# Altium PCB OctopusPB_r0102.PcbDoc (part 8 of 10) (continued)
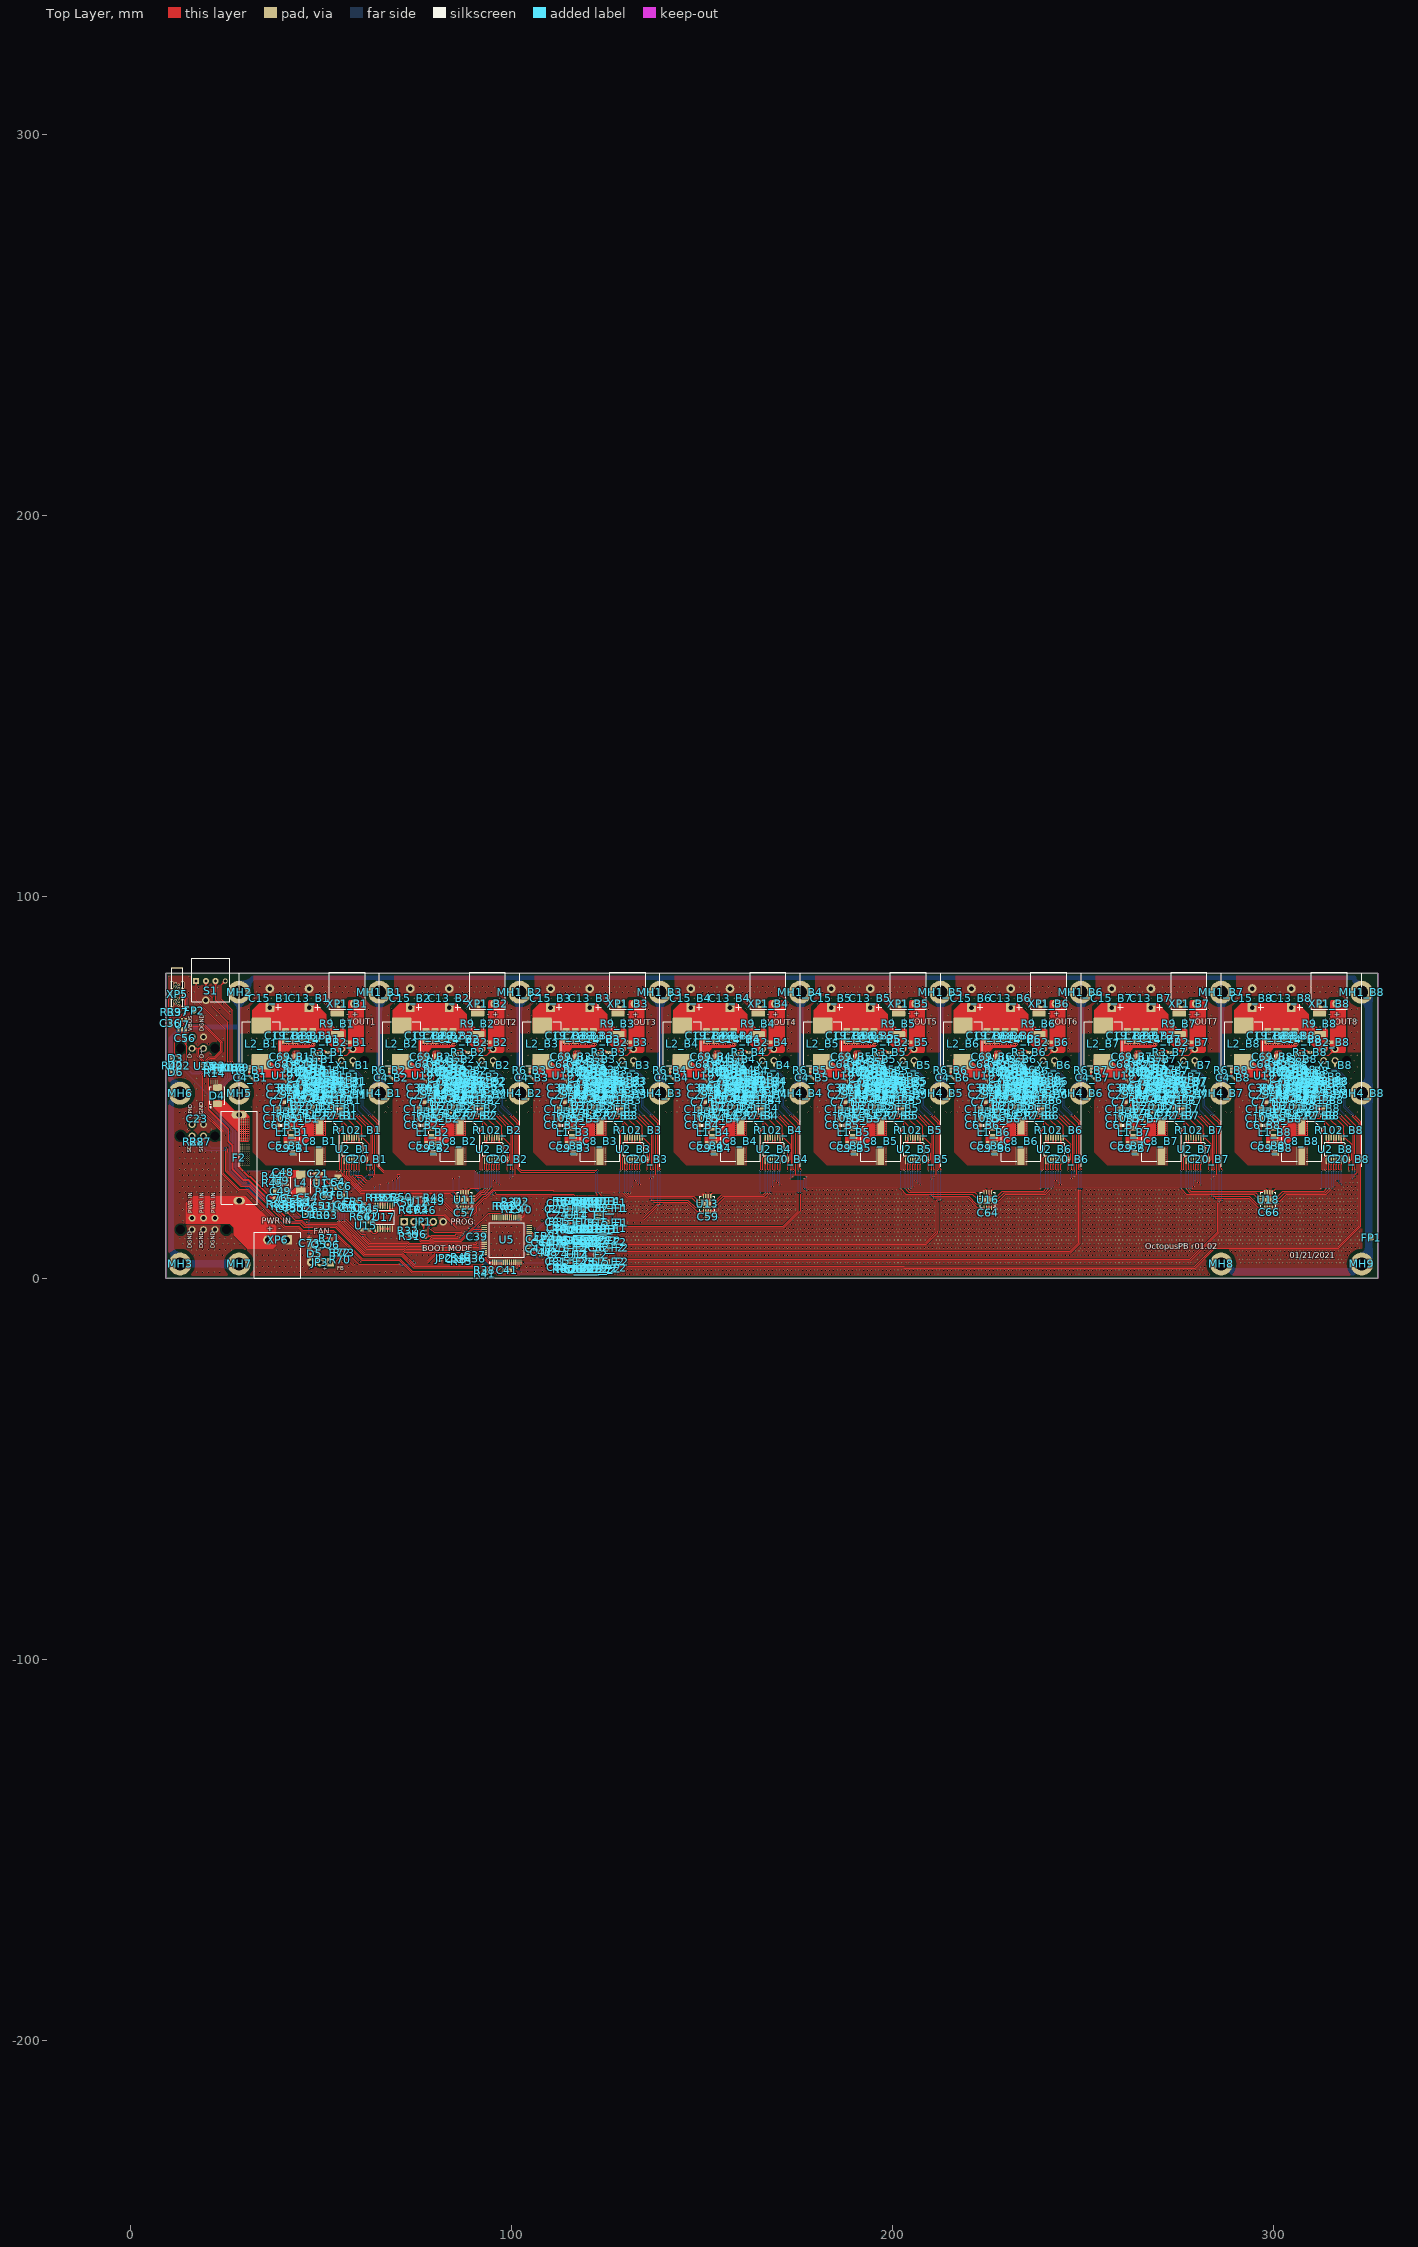
[diagram p0: Top Layer view]
## Nets (pads, with @x,y where several pads share a name; then routed paths per layer and width w, separated by ;. In a path a pad name is that pad's centre, name@x,y a point inside that pad or via, vN(x,y) a via of type N, cw(c..) or ccw(c..) an arc to the next point about the centre after c; other vN are vias at no path point) (continued)
NetC80_F2_1: C80_F2.1 R19_F2.1 R22_F2.2 U14_F2.10 | length 6.1
  Top Layer w0.2: C80_F2.1@120.4,2.745 120.42,2.765 121.355,2.765 R22_F2.2@121.375,2.785 ; R19_F2.1@122.6,2.85 122.567,2.818 121.407,2.818 R22_F2.2@121.375,2.785 ; U14_F2.10@122.775,5.44 122.7,5.365 121.849,5.365 121.225,4.741 121.225,2.935 R22_F2.2@121.375,2.785
NetC81_F1_1: C81_F1.1 R35_F1.2 R60_F1.1 U14_F1.6 | length 7.1
  Top Layer w0.2: C81_F1.1@114.175,15.105 114.208,15.137 115.117,15.137 R35_F1.2@115.15,15.17 115.165,15.155 116.81,15.155 U14_F1.6@116.825,15.14 116.9,15.065 117.81,15.065 117.975,14.9 117.975,14.221 117.679,13.925 116.5,13.925 116.225,13.65 116.225,13.32 R60_F1.1@116.075,13.17
NetC81_F2_1: C81_F2.1 R35_F2.2 R60_F2.1 U14_F2.6 | length 7.1
  Top Layer w0.2: C81_F2.1@114.225,4.755 114.258,4.787 115.167,4.787 R35_F2.2@115.2,4.82 115.215,4.805 116.86,4.805 U14_F2.6@116.875,4.79 116.95,4.715 117.86,4.715 118.025,4.55 118.025,3.871 117.729,3.575 116.55,3.575 116.275,3.3 116.275,2.97 R60_F2.1@116.125,2.82
NetC82_F1_1: C82_F1.1 R56_F1.2 R61_F1.1 U14_F1.13 | length 7.3
  Top Layer w0.2: R61_F1.1@123.475,19.735 123.335,19.595 123.335,19.15 123.05,18.865 121.781,18.865 121.525,18.609 121.525,17.965 121.675,17.815 122.65,17.815 U14_F1.13@122.725,17.74 122.78,17.795 125.345,17.795 C82_F1.1@125.4,17.85
NetC82_F2_1: C82_F2.1 R56_F2.2 R61_F2.1 U14_F2.13 | length 7.3
  Top Layer w0.2: R61_F2.1@123.525,9.385 123.385,9.245 123.385,8.8 123.1,8.515 121.831,8.515 121.575,8.259 121.575,7.615 121.725,7.465 122.7,7.465 U14_F2.13@122.775,7.39 122.83,7.445 125.395,7.445 C82_F2.1@125.45,7.5
NetC88_F1_1: C88_F1.1 R62_F1.1 R76_F1.2 U14_F1.5 | length 6.3
  Top Layer w0.2: U14_F1.5@116.825,15.79 116.89,15.725 117.95,15.725 118.375,15.3 118.375,13.16 R76_F1.2@118.325,13.11 ; R62_F1.1@117.025,13.145 117.06,13.11 R76_F1.2@118.325,13.11 ; C88_F1.1@119.325,13.095 119.31,13.11 R76_F1.2@118.325,13.11
NetC88_F2_1: C88_F2.1 R62_F2.1 R76_F2.2 U14_F2.5 | length 6.3
  Top Layer w0.2: U14_F2.5@116.875,5.44 116.94,5.375 118,5.375 118.425,4.95 118.425,2.81 R76_F2.2@118.375,2.76 ; R62_F2.1@117.075,2.795 117.11,2.76 R76_F2.2@118.375,2.76 ; C88_F2.1@119.375,2.745 119.36,2.76 R76_F2.2@118.375,2.76
NetC89_F1_1: C89_F1.1 R63_F1.1 R77_F1.2 U14_F1.12 | length 6.1
  Top Layer w0.2: R77_F1.2@120.325,19.715 121.215,19.715 C89_F1.1@121.275,19.775 121.295,19.755 122.23,19.755 R63_F1.1@122.25,19.735 ; C89_F1.1@121.496,19.696 121.415,19.615 121.275,19.475 121.275,18.924 121.1,18.749 121.1,17.69 121.775,17.015 121.825,17.015 122.65,17.015 U14_F1.12@122.725,17.09
NetC89_F2_1: C89_F2.1 R63_F2.1 R77_F2.2 U14_F2.12 | length 6.1
  Top Layer w0.2: R77_F2.2@120.375,9.365 121.265,9.365 C89_F2.1@121.325,9.425 121.345,9.405 122.28,9.405 R63_F2.1@122.3,9.385 ; C89_F2.1@121.546,9.346 121.465,9.265 121.325,9.125 121.325,8.574 121.15,8.399 121.15,7.34 121.825,6.665 121.875,6.665 122.7,6.665 U14_F2.12@122.775,6.74
NetD2_1: D2.1 R34.2 | length 1.3
  Top Layer w0.2: R34.2@100.58,20 101.875,20 D2.1@101.9,19.975
NetD3_1: D3.1 D6.1 D7.1 U22.A1 U26.A1 | length 69.5
  Top Layer w0.2: D6.1@10.725,54.025 10.589,54.025 10.44,54.173 10.44,54.31 10.3,54.45 10.3,57.205 10.461,57.365 10.461,57.502 10.609,57.65 D3.1@10.745,57.65 10.895,57.65 11.62,56.925 v1(12.375,56.925) 12.375,56.399 12.465,56.308 12.465,56.285 U22.A1@12.475,56.275 ; U26.A1@47.075,18.625 47.1,18.6 47.375,18.6 47.675,18.3 v1(47.75,18.3) 47.75,19.425 48.125,19.8 D7.1@48.275,19.8
  Bottom Layer w0.2: v1(12.375,56.925) 12.375,56.17 22.8,45.745 22.8,41.5 26.425,37.875 26.425,28.012 33.937,20.5 40.455,20.5 42.704,18.251 47.701,18.251 v1(47.75,18.3)
NetD5_1: D5.1 JP3.2 Q5.3 | length 3.2
  Top Layer w0.5: Q5.3@49.575,7.725 49.575,7.275 49.575,6.35 49.575,5.656 49.95,5.281 JP3.2@49.95,4.725
NetQ5_1: Q5.1 Q6.3 R71.2 | length 4
  Top Layer w0.3: Q5.1@50.525,9.725 50.525,9.675 51.34,8.86 51.64,8.86 Q6.3@51.825,8.675 51.875,8.675 52.755,9.555 R71.2@52.755,10.45
NetQ6_1: Q6.1 R72.2 | length 3
  Top Layer w0.2: Q6.1@53.975,8.025 53.975,6.75 54.475,6.25 55.015,6.25 R72.2@55.1,6.165
  Top Layer w0.3: Q6.1@53.975,8.025 54.011,8.025 Q6.1@54.21,7.827
NetR3_B1_1: R3_B1.1 U3_B1.3 | length 4.3
  Top Layer w0.3: U3_B1.3@48.125,58.725 48.275,58.875 48.275,59.45 48.625,59.8 50.77,59.8 51.17,59.4 51.21,59.4 51.345,59.265 R3_B1.1@51.345,59.225
NetR3_B2_1: R3_B2.1 U3_B2.3 | length 4.3
  Top Layer w0.3: U3_B2.3@84.95,58.725 85.1,58.875 85.1,59.45 85.45,59.8 87.595,59.8 87.995,59.4 88.035,59.4 88.17,59.265 R3_B2.1@88.17,59.225
NetR3_B3_1: R3_B3.1 U3_B3.3 | length 4.3
  Top Layer w0.3: U3_B3.3@121.775,58.725 121.925,58.875 121.925,59.45 122.275,59.8 124.42,59.8 124.82,59.4 124.86,59.4 124.995,59.265 R3_B3.1@124.995,59.225
NetR3_B4_1: R3_B4.1 U3_B4.3 | length 4.3
  Top Layer w0.3: U3_B4.3@158.6,58.725 158.75,58.875 158.75,59.45 159.1,59.8 161.245,59.8 161.645,59.4 161.685,59.4 161.82,59.265 R3_B4.1@161.82,59.225
NetR3_B5_1: R3_B5.1 U3_B5.3 | length 4.3
  Top Layer w0.3: U3_B5.3@195.425,58.725 195.575,58.875 195.575,59.45 195.925,59.8 198.07,59.8 198.47,59.4 198.51,59.4 198.645,59.265 R3_B5.1@198.645,59.225
NetR3_B6_1: R3_B6.1 U3_B6.3 | length 4.3
  Top Layer w0.3: U3_B6.3@232.25,58.725 232.4,58.875 232.4,59.45 232.75,59.8 234.895,59.8 235.295,59.4 235.335,59.4 235.47,59.265 R3_B6.1@235.47,59.225
NetR3_B7_1: R3_B7.1 U3_B7.3 | length 4.3
  Top Layer w0.3: U3_B7.3@269.075,58.725 269.225,58.875 269.225,59.45 269.575,59.8 271.72,59.8 272.12,59.4 272.16,59.4 272.295,59.265 R3_B7.1@272.295,59.225
NetR3_B8_1: R3_B8.1 U3_B8.3 | length 4.3
  Top Layer w0.3: U3_B8.3@305.9,58.725 306.05,58.875 306.05,59.45 306.4,59.8 308.545,59.8 308.945,59.4 308.985,59.4 309.12,59.265 R3_B8.1@309.12,59.225
NetR4_B1_1: R4_B1.1 R102_B1.2 U19_B1.7 | length 28.7
  Top Layer w0.2: U19_B1.7@43.125,54.775 43.15,54.8 43.15,55.344 43.728,55.922 43.725,55.925 45.008,55.925 45.125,56.042 v1(45.125,56.05) ; 44.9,56.125 44.9,56.655 R4_B1.1@44.995,56.75 ; v1(56.575,43.65) 56.575,42.115 59.435,39.255 R102_B1.2@59.475,39.255
  Bottom Layer w0.2: v1(45.125,56.05) 45.125,50.893 50.709,45.309 54.916,45.309 v1(56.575,43.65)
NetR4_B2_1: R4_B2.1 R102_B2.2 U19_B2.7 | length 28.7
  Top Layer w0.2: U19_B2.7@79.95,54.775 79.975,54.8 79.975,55.344 80.553,55.922 80.55,55.925 81.833,55.925 81.95,56.042 v1(81.95,56.05) ; 81.725,56.125 81.725,56.655 R4_B2.1@81.82,56.75 ; v1(93.4,43.65) 93.4,42.115 96.26,39.255 R102_B2.2@96.3,39.255
  Bottom Layer w0.2: v1(81.95,56.05) 81.95,50.893 87.534,45.309 91.741,45.309 v1(93.4,43.65)
NetR4_B3_1: R4_B3.1 R102_B3.2 U19_B3.7 | length 28.7
  Top Layer w0.2: U19_B3.7@116.775,54.775 116.8,54.8 116.8,55.344 117.378,55.922 117.375,55.925 118.658,55.925 118.775,56.042 v1(118.775,56.05) ; 118.55,56.125 118.55,56.655 R4_B3.1@118.645,56.75 ; v1(130.225,43.65) 130.225,42.115 R102_B3.2@133.085,39.255
  Bottom Layer w0.2: v1(118.775,56.05) 118.775,50.893 124.359,45.309 128.566,45.309 v1(130.225,43.65)
NetR4_B4_1: R4_B4.1 R102_B4.2 U19_B4.7 | length 28.7
  Top Layer w0.2: U19_B4.7@153.6,54.775 153.625,54.8 153.625,55.344 154.203,55.922 154.2,55.925 155.483,55.925 155.6,56.042 v1(155.6,56.05) ; 155.375,56.125 155.375,56.655 R4_B4.1@155.47,56.75 ; v1(167.05,43.65) 167.05,42.115 169.91,39.255 R102_B4.2@169.95,39.255
  Bottom Layer w0.2: v1(155.6,56.05) 155.6,50.893 161.184,45.309 165.391,45.309 v1(167.05,43.65)
NetR4_B5_1: R4_B5.1 R102_B5.2 U19_B5.7 | length 28.7
  Top Layer w0.2: U19_B5.7@190.425,54.775 190.45,54.8 190.45,55.344 191.028,55.922 191.025,55.925 192.308,55.925 192.425,56.042 v1(192.425,56.05) ; 192.2,56.125 192.2,56.655 R4_B5.1@192.295,56.75 ; v1(203.875,43.65) 203.875,42.115 206.735,39.255 R102_B5.2@206.775,39.255
  Bottom Layer w0.2: v1(192.425,56.05) 192.425,50.893 198.009,45.309 202.216,45.309 v1(203.875,43.65)
NetR4_B6_1: R4_B6.1 R102_B6.2 U19_B6.7 | length 28.7
  Top Layer w0.2: U19_B6.7@227.25,54.775 227.275,54.8 227.275,55.344 227.853,55.922 227.85,55.925 229.133,55.925 229.25,56.042 v1(229.25,56.05) ; 229.025,56.125 229.025,56.655 R4_B6.1@229.12,56.75 ; v1(240.7,43.65) 240.7,42.115 243.56,39.255 R102_B6.2@243.6,39.255
  Bottom Layer w0.2: v1(229.25,56.05) 229.25,50.893 234.834,45.309 239.041,45.309 v1(240.7,43.65)
NetR4_B7_1: R4_B7.1 R102_B7.2 U19_B7.7 | length 28.7
  Top Layer w0.2: U19_B7.7@264.075,54.775 264.1,54.8 264.1,55.344 264.678,55.922 264.675,55.925 265.958,55.925 266.075,56.042 v1(266.075,56.05) ; 265.85,56.125 265.85,56.655 R4_B7.1@265.945,56.75 ; v1(277.525,43.65) 277.525,42.115 280.385,39.255 R102_B7.2@280.425,39.255
  Bottom Layer w0.2: v1(266.075,56.05) 266.075,50.893 271.659,45.309 275.866,45.309 v1(277.525,43.65)
NetR4_B8_1: R4_B8.1 R102_B8.2 U19_B8.7 | length 28.7
  Top Layer w0.2: U19_B8.7@300.9,54.775 300.925,54.8 300.925,55.344 301.503,55.922 301.5,55.925 302.783,55.925 302.9,56.042 v1(302.9,56.05) ; 302.675,56.125 302.675,56.655 R4_B8.1@302.77,56.75 ; v1(314.35,43.65) 314.35,42.115 317.21,39.255 R102_B8.2@317.25,39.255
  Bottom Layer w0.2: v1(302.9,56.05) 302.9,50.893 308.484,45.309 312.691,45.309 v1(314.35,43.65)
NetR8_B1_1: R8_B1.1 R58_B1.1 U20_B1.1 | length 2.6
  Top Layer w0.2: U20_B1.1@45.995,45.825 U20_B1.1@46.17,45.825 ; R58_B1.1@46.12,47.055 R58_B1.1@46.125,47.05 ; U20_B1.1@46.245,45.825 U20_B1.1@46.17,45.825 ; R8_B1.1@46.72,47.85 46.72,47.81 46.305,47.395 46.305,47.085 R58_B1.1@46.12,46.9 46.12,45.875 U20_B1.1@46.17,45.825
NetR8_B2_1: R8_B2.1 R58_B2.1 U20_B2.1 | length 2.6
  Top Layer w0.2: U20_B2.1@82.82,45.825 U20_B2.1@82.995,45.825 ; R58_B2.1@82.945,47.055 R58_B2.1@82.95,47.05 ; U20_B2.1@83.07,45.825 U20_B2.1@82.995,45.825 ; R8_B2.1@83.545,47.85 83.545,47.81 83.13,47.395 83.13,47.085 R58_B2.1@82.945,46.9 82.945,45.875 U20_B2.1@82.995,45.825
NetR8_B3_1: R8_B3.1 R58_B3.1 U20_B3.1 | length 2.6
  Top Layer w0.2: U20_B3.1@119.645,45.825 U20_B3.1@119.82,45.825 ; R58_B3.1@119.77,47.055 R58_B3.1@119.775,47.05 ; U20_B3.1@119.895,45.825 U20_B3.1@119.82,45.825 ; R8_B3.1@120.37,47.85 120.37,47.81 119.955,47.395 119.955,47.085 R58_B3.1@119.77,46.9 119.77,45.875 U20_B3.1@119.82,45.825
NetR8_B4_1: R8_B4.1 R58_B4.1 U20_B4.1 | length 2.6
  Top Layer w0.2: U20_B4.1@156.47,45.825 U20_B4.1@156.645,45.825 ; R58_B4.1@156.595,47.055 R58_B4.1@156.6,47.05 ; U20_B4.1@156.72,45.825 U20_B4.1@156.645,45.825 ; R8_B4.1@157.195,47.85 157.195,47.81 156.78,47.395 156.78,47.085 R58_B4.1@156.595,46.9 156.595,45.875 U20_B4.1@156.645,45.825
NetR8_B5_1: R8_B5.1 R58_B5.1 U20_B5.1 | length 2.6
  Top Layer w0.2: U20_B5.1@193.295,45.825 U20_B5.1@193.47,45.825 ; R58_B5.1@193.42,47.055 R58_B5.1@193.425,47.05 ; U20_B5.1@193.545,45.825 U20_B5.1@193.47,45.825 ; R8_B5.1@194.02,47.85 194.02,47.81 193.605,47.395 193.605,47.085 R58_B5.1@193.42,46.9 193.42,45.875 U20_B5.1@193.47,45.825
NetR8_B6_1: R8_B6.1 R58_B6.1 U20_B6.1 | length 2.6
  Top Layer w0.2: U20_B6.1@230.12,45.825 U20_B6.1@230.295,45.825 ; R58_B6.1@230.245,47.055 R58_B6.1@230.25,47.05 ; U20_B6.1@230.37,45.825 U20_B6.1@230.295,45.825 ; R8_B6.1@230.845,47.85 230.845,47.81 230.43,47.395 230.43,47.085 R58_B6.1@230.245,46.9 230.245,45.875 U20_B6.1@230.295,45.825
NetR8_B7_1: R8_B7.1 R58_B7.1 U20_B7.1 | length 2.6
  Top Layer w0.2: U20_B7.1@266.945,45.825 U20_B7.1@267.12,45.825 ; R58_B7.1@267.07,47.055 R58_B7.1@267.075,47.05 ; U20_B7.1@267.195,45.825 U20_B7.1@267.12,45.825 ; R8_B7.1@267.67,47.85 267.67,47.81 267.255,47.395 267.255,47.085 R58_B7.1@267.07,46.9 267.07,45.875 U20_B7.1@267.12,45.825
NetR8_B8_1: R8_B8.1 R58_B8.1 U20_B8.1 | length 2.6
  Top Layer w0.2: U20_B8.1@303.77,45.825 U20_B8.1@303.945,45.825 ; R58_B8.1@303.895,47.055 R58_B8.1@303.9,47.05 ; U20_B8.1@304.02,45.825 U20_B8.1@303.945,45.825 ; R8_B8.1@304.495,47.85 304.495,47.81 304.08,47.395 304.08,47.085 R58_B8.1@303.895,46.9 303.895,45.875 U20_B8.1@303.945,45.825
NetR10_B1_1: R10_B1.1 R11_B1.2 U21_B1.3 | length 2.4
  Top Layer w0.2: R10_B1.1@53.83,46.625 R11_B1.2@54.745,46.625 54.889,46.481 54.889,45.77 55.109,45.55 U21_B1.3@55.35,45.55
NetR10_B2_1: R10_B2.1 R11_B2.2 U21_B2.3 | length 2.4
  Top Layer w0.2: R10_B2.1@90.655,46.625 R11_B2.2@91.57,46.625 91.714,46.481 91.714,45.77 91.934,45.55 U21_B2.3@92.175,45.55
NetR10_B3_1: R10_B3.1 R11_B3.2 U21_B3.3 | length 2.4
  Top Layer w0.2: R10_B3.1@127.48,46.625 R11_B3.2@128.395,46.625 128.539,46.481 128.539,45.77 128.759,45.55 U21_B3.3@129,45.55
NetR10_B4_1: R10_B4.1 R11_B4.2 U21_B4.3 | length 2.4
  Top Layer w0.2: R10_B4.1@164.305,46.625 R11_B4.2@165.22,46.625 165.364,46.481 165.364,45.77 165.584,45.55 U21_B4.3@165.825,45.55
NetR10_B5_1: R10_B5.1 R11_B5.2 U21_B5.3 | length 2.4
  Top Layer w0.2: R10_B5.1@201.13,46.625 R11_B5.2@202.045,46.625 202.189,46.481 202.189,45.77 202.409,45.55 U21_B5.3@202.65,45.55
NetR10_B6_1: R10_B6.1 R11_B6.2 U21_B6.3 | length 2.4
  Top Layer w0.2: R10_B6.1@237.955,46.625 R11_B6.2@238.87,46.625 239.014,46.481 239.014,45.77 239.234,45.55 U21_B6.3@239.475,45.55
NetR10_B7_1: R10_B7.1 R11_B7.2 U21_B7.3 | length 2.4
  Top Layer w0.2: R10_B7.1@274.78,46.625 R11_B7.2@275.695,46.625 275.839,46.481 275.839,45.77 276.059,45.55 U21_B7.3@276.3,45.55
NetR10_B8_1: R10_B8.1 R11_B8.2 U21_B8.3 | length 2.4
  Top Layer w0.2: R10_B8.1@311.605,46.625 R11_B8.2@312.52,46.625 312.664,46.481 312.664,45.77 312.884,45.55 U21_B8.3@313.125,45.55
NetR14_1: R14.1 R17.2 U25.9 | length 2.5
  Top Layer w0.2: U25.9@20.2,54.9 20.2,54.75 20.25,54.7 R17.2@21.62,54.7 R14.1@21.62,53.775
NetR23_B1_1: R23_B1.1 R24_B1.1 R25_B1.1 R26_B1.1 U4_B1.6 | length 4.9
  Top Layer w0.2: R26_B1.1@50.35,51.265 50.36,51.255 50.36,50.11 50.36,49.41 R24_B1.1@50.37,49.4 ; R23_B1.1@50.395,50.11 R23_B1.1@50.395,50.15 ; R26_B1.1@50.477,51.267 51.247,51.267 R25_B1.1@51.25,51.27 ; R24_B1.1@50.495,49.4 R24_B1.1@50.545,49.35 ; R25_B1.1@51.255,51.34 52.613,51.34 52.804,51.149 U4_B1.6@52.804,50.64 U4_B1.6@52.828,50.617
NetR23_B2_1: R23_B2.1 R24_B2.1 R25_B2.1 R26_B2.1 U4_B2.6 | length 4.9
  Top Layer w0.2: R26_B2.1@87.175,51.265 87.185,51.255 87.185,50.11 87.185,49.41 R24_B2.1@87.195,49.4 ; R23_B2.1@87.22,50.11 R23_B2.1@87.22,50.15 ; R26_B2.1@87.303,51.267 88.072,51.267 R25_B2.1@88.075,51.27 ; R24_B2.1@87.32,49.4 R24_B2.1@87.37,49.35 ; R25_B2.1@88.08,51.34 89.438,51.34 89.629,51.149 U4_B2.6@89.629,50.64 U4_B2.6@89.653,50.617
NetR23_B3_1: R23_B3.1 R24_B3.1 R25_B3.1 R26_B3.1 U4_B3.6 | length 4.9
  Top Layer w0.2: R26_B3.1@124,51.265 124.01,51.255 124.01,50.11 124.01,49.41 R24_B3.1@124.02,49.4 ; R23_B3.1@124.045,50.11 R23_B3.1@124.045,50.15 ; R26_B3.1@124.128,51.267 124.898,51.267 R25_B3.1@124.9,51.27 ; R24_B3.1@124.145,49.4 R24_B3.1@124.195,49.35 ; R25_B3.1@124.905,51.34 126.263,51.34 126.454,51.149 U4_B3.6@126.454,50.64 U4_B3.6@126.478,50.617
NetR23_B4_1: R23_B4.1 R24_B4.1 R25_B4.1 R26_B4.1 U4_B4.6 | length 4.9
  Top Layer w0.2: R26_B4.1@160.825,51.265 160.835,51.255 160.835,50.11 160.835,49.41 R24_B4.1@160.845,49.4 ; R23_B4.1@160.87,50.11 R23_B4.1@160.87,50.15 ; R26_B4.1@160.953,51.267 161.723,51.267 R25_B4.1@161.725,51.27 ; R24_B4.1@160.97,49.4 R24_B4.1@161.02,49.35 ; R25_B4.1@161.73,51.34 163.088,51.34 163.279,51.149 U4_B4.6@163.279,50.64 U4_B4.6@163.303,50.617
NetR23_B5_1: R23_B5.1 R24_B5.1 R25_B5.1 R26_B5.1 U4_B5.6 | length 4.9
  Top Layer w0.2: R26_B5.1@197.65,51.265 197.66,51.255 197.66,50.11 197.66,49.41 R24_B5.1@197.67,49.4 ; R23_B5.1@197.695,50.11 R23_B5.1@197.695,50.15 ; R26_B5.1@197.778,51.267 198.548,51.267 R25_B5.1@198.55,51.27 ; R24_B5.1@197.795,49.4 R24_B5.1@197.845,49.35 ; R25_B5.1@198.555,51.34 199.913,51.34 200.104,51.149 U4_B5.6@200.104,50.64 U4_B5.6@200.128,50.617
NetR23_B6_1: R23_B6.1 R24_B6.1 R25_B6.1 R26_B6.1 U4_B6.6 | length 4.9
  Top Layer w0.2: R26_B6.1@234.475,51.265 234.485,51.255 234.485,50.11 234.485,49.41 R24_B6.1@234.495,49.4 ; R23_B6.1@234.52,50.11 R23_B6.1@234.52,50.15 ; R26_B6.1@234.603,51.267 235.373,51.267 R25_B6.1@235.375,51.27 ; R24_B6.1@234.62,49.4 R24_B6.1@234.671,49.35 ; R25_B6.1@235.38,51.34 236.738,51.34 236.929,51.149 U4_B6.6@236.929,50.64 U4_B6.6@236.953,50.617
NetR23_B7_1: R23_B7.1 R24_B7.1 R25_B7.1 R26_B7.1 U4_B7.6 | length 4.9
  Top Layer w0.2: R26_B7.1@271.3,51.265 271.31,51.255 271.31,50.11 271.31,49.41 R24_B7.1@271.32,49.4 ; R23_B7.1@271.345,50.11 R23_B7.1@271.345,50.15 ; R26_B7.1@271.428,51.267 272.198,51.267 R25_B7.1@272.2,51.27 ; R24_B7.1@271.445,49.4 R24_B7.1@271.496,49.35 ; R25_B7.1@272.205,51.34 273.563,51.34 273.754,51.149 U4_B7.6@273.754,50.64 U4_B7.6@273.778,50.617
NetR23_B8_1: R23_B8.1 R24_B8.1 R25_B8.1 R26_B8.1 U4_B8.6 | length 4.9
  Top Layer w0.2: R26_B8.1@308.125,51.265 308.135,51.255 308.135,50.11 308.135,49.41 R24_B8.1@308.145,49.4 ; R23_B8.1@308.17,50.11 R23_B8.1@308.17,50.15 ; R26_B8.1@308.253,51.267 309.023,51.267 R25_B8.1@309.025,51.27 ; R24_B8.1@308.27,49.4 R24_B8.1@308.321,49.35 ; R25_B8.1@309.03,51.34 310.388,51.34 310.579,51.149 U4_B8.6@310.579,50.64 U4_B8.6@310.603,50.617
NetR30_1: R30.1 R33.1 U5.26 | length 66.7
  Top Layer w0.2: R30.1@50.1,16.47 R33.1@51.075,16.47 ; R33.1@51.195,16.475 51.195,15.705 51.324,15.576 56.46,15.576 60.536,11.5 61.5,11.5 61.663,11.337 61.65,11.325 61.65,10.825 62.975,9.5 72.798,9.5 73.123,9.175 78.665,9.175 79.54,10.05 86.657,10.05 89.766,13.159 90.134,13.159 94.025,17.05 v1@97.561,17.05 ; U5.26@104.616,10.759 104.635,10.778 105.632,10.778
  Bottom Layer w0.2: v1(97.579,17.076) 99.305,15.35 101.75,15.35 103.925,13.175 103.925,12.524 105.623,10.826 105.67,10.826 105.771,10.725 v1(105.825,10.725)
NetR37_2: R37.2 XP5.A5 | length 6.8
  Top Layer w0.2: R37.2@13.04,69.865 13.092,69.813 R37.2@13.167,69.738 ; R37.2@13.04,70.015 v1(13.4,70.375)
  Bottom Layer w0.2: XP5.A5@12.63,75.175 14.42,73.385 14.42,71.164 13.781,70.525 13.604,70.525 13.454,70.375 v1(13.4,70.375)
NetR39_2: R39.2 XP5.B5 | length 6.3
  Top Layer w0.2: 10.027,70.093 10.027,70.243 ; R39.2@10.22,69.575 R39.2@10.22,69.9 ; 10.22,70.05 10.027,70.243 ; v1(10.8,74.15) 10.775,74.15 10.675,74.05 10.475,74.05 10.027,73.602 10.027,70.243
  Bottom Layer w0.2: v1(10.8,74.15) 11.417,74.15 11.742,73.825 XP5.B5@11.85,73.825
NetR44_1: R44.1 R45.2 U9.3 | length 4
  Top Layer w0.2: R44.1@37.3,26.32 37.115,26.135 36.785,26.135 36.6,25.95 36.6,24.9 36.84,24.66 37.115,24.66 R45.2@37.3,24.475 37.325,24.5 38.5,24.5 U9.3@38.525,24.525
NetR59_B1_1: R59_B1.1 R74_B1.1 U20_B1.2 | length 9.2
  Top Layer w0.2: U20_B1.2@46.22,45.35 U20_B1.2@46.245,45.325 46.195,45.275 45.675,45.275 ; R74_B1.1@46.295,43.325 46.205,43.415 45.71,43.415 45.525,43.6 45.525,45.125 45.675,45.275 ; R59_B1.1@48.575,48.78 48.57,48.775 47.95,48.775 47.65,48.475 46.344,48.475 45.525,47.656 45.525,45.425 45.675,45.275
NetR59_B2_1: R59_B2.1 R74_B2.1 U20_B2.2 | length 9.2
  Top Layer w0.2: U20_B2.2@83.045,45.35 U20_B2.2@83.07,45.325 83.02,45.275 82.5,45.275 ; R74_B2.1@83.12,43.325 83.03,43.415 82.535,43.415 82.35,43.6 82.35,45.125 82.5,45.275 ; R59_B2.1@85.4,48.78 85.395,48.775 84.775,48.775 84.475,48.475 83.169,48.475 82.35,47.656 82.35,45.425 82.5,45.275
NetR59_B3_1: R59_B3.1 R74_B3.1 U20_B3.2 | length 9.2
  Top Layer w0.2: U20_B3.2@119.87,45.35 U20_B3.2@119.895,45.325 119.845,45.275 119.325,45.275 ; R74_B3.1@119.945,43.325 119.855,43.415 119.36,43.415 119.175,43.6 119.175,45.125 119.325,45.275 ; R59_B3.1@122.225,48.78 122.22,48.775 121.6,48.775 121.3,48.475 119.994,48.475 119.175,47.656 119.175,45.425 119.325,45.275
NetR59_B4_1: R59_B4.1 R74_B4.1 U20_B4.2 | length 9.2
  Top Layer w0.2: U20_B4.2@156.695,45.35 U20_B4.2@156.72,45.325 156.67,45.275 156.15,45.275 ; R74_B4.1@156.77,43.325 156.68,43.415 156.185,43.415 156,43.6 156,45.125 156.15,45.275 ; R59_B4.1@159.05,48.78 159.045,48.775 158.425,48.775 158.125,48.475 156.819,48.475 156,47.656 156,45.425 156.15,45.275
NetR59_B5_1: R59_B5.1 R74_B5.1 U20_B5.2 | length 9.2
  Top Layer w0.2: U20_B5.2@193.52,45.35 U20_B5.2@193.545,45.325 193.495,45.275 192.975,45.275 ; R74_B5.1@193.595,43.325 193.505,43.415 193.01,43.415 192.825,43.6 192.825,45.125 192.975,45.275 ; R59_B5.1@195.875,48.78 195.87,48.775 195.25,48.775 194.95,48.475 193.644,48.475 192.825,47.656 192.825,45.425 192.975,45.275
NetR59_B6_1: R59_B6.1 R74_B6.1 U20_B6.2 | length 9.2
  Top Layer w0.2: U20_B6.2@230.345,45.35 U20_B6.2@230.37,45.325 230.32,45.275 229.8,45.275 ; R74_B6.1@230.42,43.325 230.33,43.415 229.835,43.415 229.65,43.6 229.65,45.125 229.8,45.275 ; R59_B6.1@232.7,48.78 232.695,48.775 232.075,48.775 231.775,48.475 230.469,48.475 229.65,47.656 229.65,45.425 229.8,45.275
NetR59_B7_1: R59_B7.1 R74_B7.1 U20_B7.2 | length 9.2
  Top Layer w0.2: U20_B7.2@267.17,45.35 U20_B7.2@267.195,45.325 267.145,45.275 266.625,45.275 ; R74_B7.1@267.245,43.325 267.155,43.415 266.66,43.415 266.475,43.6 266.475,45.125 266.625,45.275 ; R59_B7.1@269.525,48.78 269.52,48.775 268.9,48.775 268.6,48.475 267.294,48.475 266.475,47.656 266.475,45.425 266.625,45.275
NetR59_B8_1: R59_B8.1 R74_B8.1 U20_B8.2 | length 9.2
  Top Layer w0.2: U20_B8.2@303.995,45.35 U20_B8.2@304.02,45.325 303.97,45.275 303.45,45.275 ; R74_B8.1@304.07,43.325 303.98,43.415 303.485,43.415 303.3,43.6 303.3,45.125 303.45,45.275 ; R59_B8.1@306.35,48.78 306.345,48.775 305.725,48.775 305.425,48.475 304.119,48.475 303.3,47.656 303.3,45.425 303.45,45.275
NetR65_B1_1: R65_B1.1 U19_B1.13 | length 1.6
  Top Layer w0.2: U19_B1.13@43.125,51.375 43.15,51.35 43.15,50.806 43.731,50.225 R65_B1.1@43.896,50.225
NetR65_B2_1: R65_B2.1 U19_B2.13 | length 1.6
  Top Layer w0.2: U19_B2.13@79.95,51.375 79.975,51.35 79.975,50.806 80.556,50.225 R65_B2.1@80.721,50.225
NetR65_B3_1: R65_B3.1 U19_B3.13 | length 1.6
  Top Layer w0.2: U19_B3.13@116.775,51.375 116.8,51.35 116.8,50.806 117.381,50.225 R65_B3.1@117.546,50.225
NetR65_B4_1: R65_B4.1 U19_B4.13 | length 1.6
  Top Layer w0.2: U19_B4.13@153.6,51.375 153.625,51.35 153.625,50.806 154.206,50.225 R65_B4.1@154.371,50.225
NetR65_B5_1: R65_B5.1 U19_B5.13 | length 1.6
  Top Layer w0.2: U19_B5.13@190.425,51.375 190.45,51.35 190.45,50.806 191.031,50.225 R65_B5.1@191.196,50.225
NetR65_B6_1: R65_B6.1 U19_B6.13 | length 1.6
  Top Layer w0.2: U19_B6.13@227.25,51.375 227.275,51.35 227.275,50.806 227.856,50.225 R65_B6.1@228.021,50.225
NetR65_B7_1: R65_B7.1 U19_B7.13 | length 1.6
  Top Layer w0.2: U19_B7.13@264.075,51.375 264.1,51.35 264.1,50.806 264.681,50.225 R65_B7.1@264.846,50.225
NetR65_B8_1: R65_B8.1 U19_B8.13 | length 1.6
  Top Layer w0.2: U19_B8.13@300.9,51.375 300.925,51.35 300.925,50.806 301.506,50.225 R65_B8.1@301.671,50.225
NetR66_B1_2: R66_B1.2 U19_B1.6 | length 2.6
  Top Layer w0.2: U19_B1.6@43.625,54.775 43.65,54.8 43.65,55.279 43.896,55.525 45.053,55.525 R66_B1.2@45.285,55.293 ; R66_B1.2@45.425,55.38 R66_B1.2@45.575,55.23
NetR66_B2_2: R66_B2.2 U19_B2.6 | length 2.6
  Top Layer w0.2: U19_B2.6@80.45,54.775 80.475,54.8 80.475,55.279 80.721,55.525 81.878,55.525 R66_B2.2@82.11,55.293 ; R66_B2.2@82.25,55.38 R66_B2.2@82.4,55.23
NetR66_B3_2: R66_B3.2 U19_B3.6 | length 2.6
  Top Layer w0.2: U19_B3.6@117.275,54.775 117.3,54.8 117.3,55.279 117.546,55.525 118.703,55.525 R66_B3.2@118.935,55.293 ; R66_B3.2@119.075,55.38 R66_B3.2@119.225,55.23
NetR66_B4_2: R66_B4.2 U19_B4.6 | length 2.6
  Top Layer w0.2: U19_B4.6@154.1,54.775 154.125,54.8 154.125,55.279 154.371,55.525 155.528,55.525 R66_B4.2@155.76,55.293 ; R66_B4.2@155.9,55.38 R66_B4.2@156.05,55.23
NetR66_B5_2: R66_B5.2 U19_B5.6 | length 2.6
  Top Layer w0.2: U19_B5.6@190.925,54.775 190.95,54.8 190.95,55.279 191.196,55.525 192.353,55.525 R66_B5.2@192.585,55.293 ; R66_B5.2@192.725,55.38 R66_B5.2@192.875,55.23
NetR66_B6_2: R66_B6.2 U19_B6.6 | length 2.6
  Top Layer w0.2: U19_B6.6@227.75,54.775 227.775,54.8 227.775,55.279 228.021,55.525 229.178,55.525 R66_B6.2@229.41,55.293 ; R66_B6.2@229.55,55.38 R66_B6.2@229.7,55.23
NetR66_B7_2: R66_B7.2 U19_B7.6 | length 2.6
  Top Layer w0.2: U19_B7.6@264.575,54.775 264.6,54.8 264.6,55.279 264.846,55.525 266.003,55.525 R66_B7.2@266.235,55.293 ; R66_B7.2@266.375,55.38 R66_B7.2@266.525,55.23
NetR66_B8_2: R66_B8.2 U19_B8.6 | length 2.6
  Top Layer w0.2: U19_B8.6@301.4,54.775 301.425,54.8 301.425,55.279 301.671,55.525 302.828,55.525 R66_B8.2@303.06,55.293 ; R66_B8.2@303.2,55.38 R66_B8.2@303.35,55.23
NetU21_B1_4: U21_B1.4 U21_B1.5 | length 1
  Top Layer w0.3: U21_B1.5@52.95,44.6 U21_B1.4@52.95,45.55
NetU21_B2_4: U21_B2.4 U21_B2.5 | length 1
  Top Layer w0.3: U21_B2.5@89.775,44.6 U21_B2.4@89.775,45.55
NetU21_B3_4: U21_B3.4 U21_B3.5 | length 1
  Top Layer w0.3: U21_B3.5@126.6,44.6 U21_B3.4@126.6,45.55
NetU21_B4_4: U21_B4.4 U21_B4.5 | length 1
  Top Layer w0.3: U21_B4.5@163.425,44.6 U21_B4.4@163.425,45.55
NetU21_B5_4: U21_B5.4 U21_B5.5 | length 1
  Top Layer w0.3: U21_B5.5@200.25,44.6 U21_B5.4@200.25,45.55
NetU21_B6_4: U21_B6.4 U21_B6.5 | length 1
  Top Layer w0.3: U21_B6.5@237.075,44.6 U21_B6.4@237.075,45.55
NetU21_B7_4: U21_B7.4 U21_B7.5 | length 1
  Top Layer w0.3: U21_B7.5@273.9,44.6 U21_B7.4@273.9,45.55
NetU21_B8_4: U21_B8.4 U21_B8.5 | length 1
  Top Layer w0.3: U21_B8.5@310.725,44.6 U21_B8.4@310.725,45.55
nRST: C37.1 JP1.4 R36.1 U5.64 U6.4 | length 28.4
  Top Layer w0.2: U6.4@77.025,10.575 77.125,10.675 77.9,10.675 78.175,10.95 ; JP1.4@79.49,14.775 78.175,13.46 78.175,10.95 ; v1(87.3,11.575) 85.5,11.575 85.2,11.275 79.068,11.275 78.743,10.95 78.175,10.95 ; R36.1@90.923,5.033 90.923,5.542 ; C37.1@90.923,5.968 90.923,5.542 ; U5.64@92.816,6.259 v1(91.644,6.259) 91.199,6.259 C37.1@90.915,5.975 90.915,5.55 90.923,5.542
  Bottom Layer w0.2: v1(87.3,11.575) 88.825,11.575 89.583,12.333 90.292,12.333 91.644,10.981 v1(91.644,6.259)
OUT_1MHz: R52.1 U17.13 | length 1.7
  Top Layer w0.2: R52.1@65.975,20.67 66.121,20.524 66.121,19.054 U17.13@66.15,19.025
OUT_2MHz: R12.1 U17.14 | length 1.8
  Top Layer w0.2: R12.1@64.9,20.475 65.075,20.475 65.5,20.05 U17.14@65.5,19.025
OUT_250kHz: R13.1 U17.11 | length 1.7
  Top Layer w0.2: U17.11@67.45,19.025 67.45,19.722 67.425,19.747 67.425,20.025 67.948,20.547
OUT_500kHz: R55.1 U17.12 | length 1.7
  Top Layer w0.2: U17.12@66.8,19.025 66.829,19.054 66.829,20.574 R55.1@66.925,20.67
PGND_ADC1: R53_F1.2 X1_B1.2 | length 86.8
  Top Layer w0.2: v1(63.4,42.725) 65.125,41 65.125,29.525 66.474,28.176 v1(90.575,28.176) v1@90.576,28.175 ; v1(95.075,21.925) 95.082,21.925 95.432,21.575 115.775,21.575 116.12,21.23 116.12,20.675 R53_F1.2@116.15,20.645
  Bottom Layer w0.2: v1(58.325,55.425) 61.016,52.734 61.016,45.109 v1(63.4,42.725) ; v1(90.575,28.176) 90.537,28.138 90.537,27.944 90.475,27.882 90.475,23.252 91.727,22 94.875,22 94.912,21.963 95.037,21.963 v1(95.075,21.925)
PGND_ADC2: R61_F1.2 X1_B2.2 | length 58.6
  Top Layer w0.2: v1(100.225,42.725) 101.95,41 101.95,28.8 102.5,28.25 122.55,28.25 v1(122.575,28.225) ; v1(122.825,22.35) 123.475,21.7 R61_F1.2@123.475,20.645 R61_F1.2@123.66,20.83
  Bottom Layer w0.2: v1(95.15,55.425) 97.74,52.835 97.74,45.21 v1(100.225,42.725) ; v1(122.575,28.225) 122.575,22.475 122.7,22.35 v1(122.825,22.35)
PGND_ADC3: R60_F1.2 X1_B3.2 | length 66.3
  Top Layer w0.2: v1(115.475,12.05) 115.525,12.05 115.55,12.075 115.89,12.075 R60_F1.2@116.075,12.26 ; v1(126.475,15.85) 126.55,15.775 134.575,15.775 138.225,19.425 v1(139.075,19.425) ; v1(137.05,42.725) 138.775,41 138.775,28.75 139.075,28.45 v1(139.075,28.2)
  Bottom Layer w0.2: v1(115.475,12.05) 119.275,15.85 v1(126.475,15.85) ; v1(131.975,55.425) 134.596,52.804 134.596,45.179 v1(137.05,42.725) ; v1(139.075,19.425) v1(139.075,28.2)